# Altium PCB HTBBMSALL4G.PcbDoc (part 3 of 4)
Units mm, origin at the board's own origin, x right, y up, seen from the top; angles counter-clockwise.
Board outline 80.2 x 36.15 mm, 4 copper layers (Top Layer, SIG02, SIG03, Bottom Layer), stack 0.603 mm thick; 186 components, 121 nets, 547 pads, 871 vias.
Unrouted connection lines stored in the file: 10.
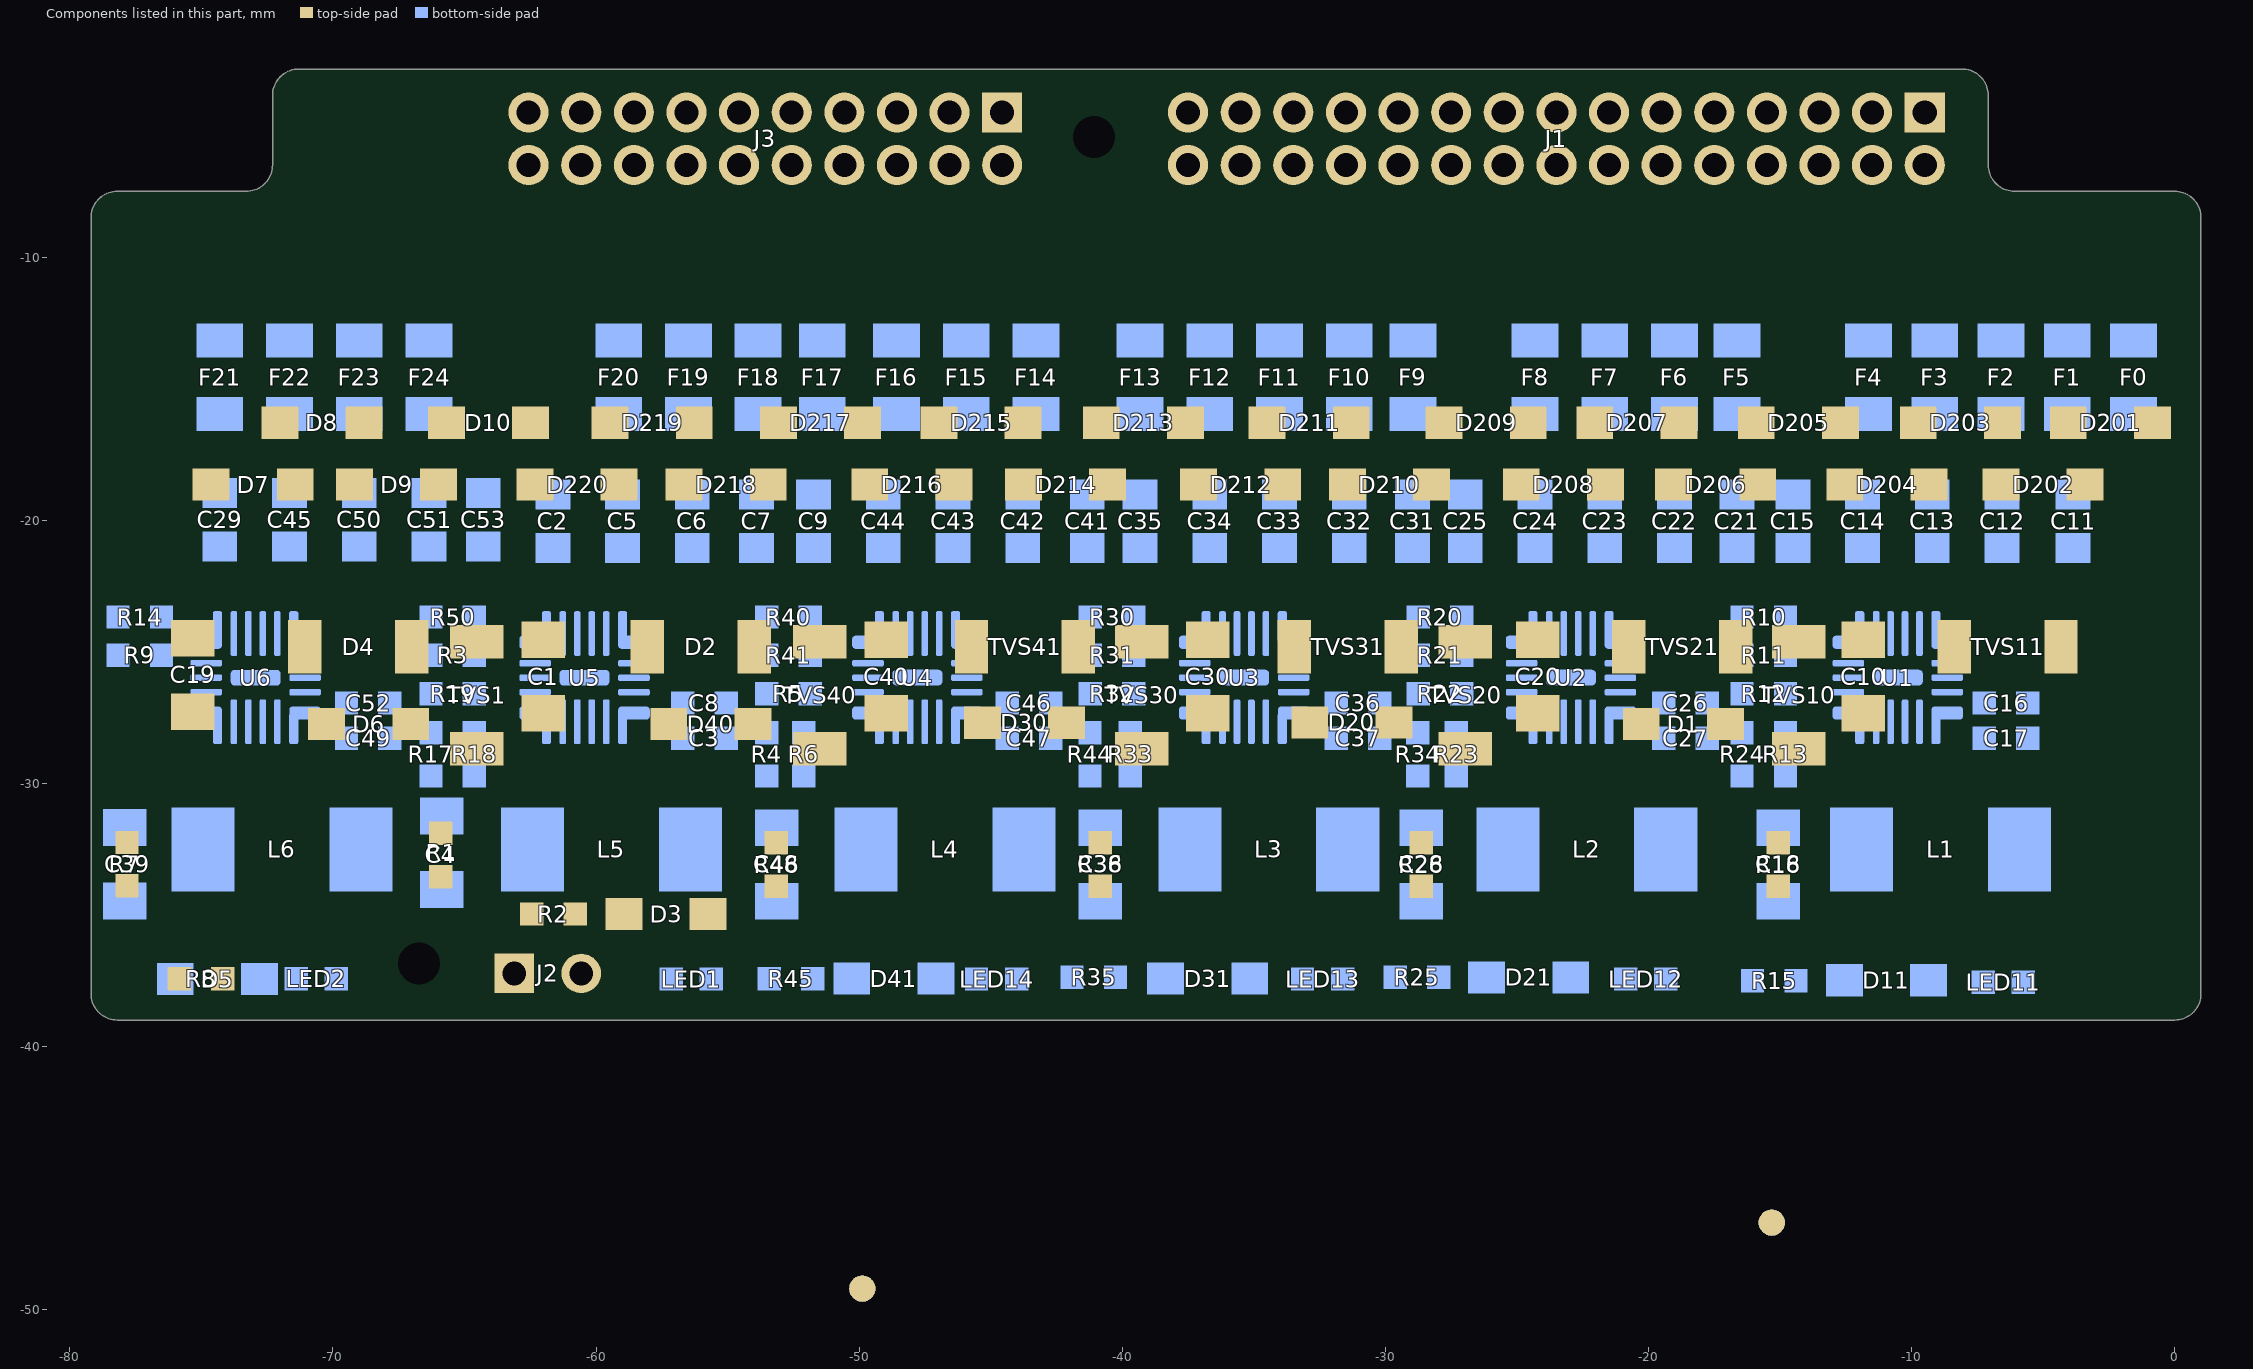
[diagram p5: the components of this part, seen from the top]

## Polygon pours and split planes (outlines as drawn) (continued)
N20 on Bottom Layer "NONET_L-01_P-001" (solid, remove dead copper, pour order 583): -64.06,-20.446 -63.217,-21.289 -63.217,-21.946 -62.691,-22.471 -61.549,-22.471 -61.133,-22.887 -61.133,-25.168 -61.362,-25.168 -61.451,-25.079 -61.451,-23.491 -61.769,-23.173 -63.791,-23.173 -65.064,-21.9 -65.064,-20.603 -64.907,-20.446
N19 on Bottom Layer "NONET_L-01_P-001" (solid, remove dead copper, pour order 585): -59.94,-18.261 -60.122,-18.442 -60.122,-19.041 -61.119,-20.039 -62.016,-20.039 -62.58,-20.603 -62.58,-22.084 -61.996,-21.499 -60.55,-21.499 -60.55,-20.881 -59.454,-19.785 -58.722,-19.785 -58.348,-19.411 -58.348,-18.41 -58.497,-18.261
N19 on Bottom Layer "NONET_L-01_P-001" (solid, remove dead copper, pour order 582): -61.113,-20.446 -60.516,-21.042 -60.516,-25.079 -60.606,-25.168 -60.835,-25.168 -60.905,-25.098 -60.905,-22.876 -61.531,-22.25 -62.364,-22.25 -62.597,-22.016 -62.597,-20.763 -62.279,-20.446
N18 on Bottom Layer "NONET_L-01_P-001" (solid, remove dead copper, pour order 587): -57.195,-18.284 -57.472,-18.56 -57.472,-19.06 -58.473,-20.062 -59.366,-20.062 -59.747,-20.443 -59.747,-21.923 -59.346,-21.522 -58.265,-21.522 -58.265,-21.088 -56.986,-19.808 -56.072,-19.808 -55.698,-19.434 -55.698,-18.433 -55.847,-18.284
N18 on Bottom Layer "NONET_L-01_P-001" (solid, remove dead copper, pour order 581): -59.767,-20.446 -60.363,-21.042 -60.363,-25.079 -60.274,-25.168 -60.045,-25.168 -59.974,-25.098 -59.974,-22.876 -59.348,-22.25 -58.515,-22.25 -58.282,-22.016 -58.282,-20.763 -58.6,-20.446
N16 on Bottom Layer "NONET_L-01_P-001" (solid, remove dead copper, pour order 578): -49.841,-18.259 -50.117,-18.536 -50.117,-19.067 -51.088,-20.037 -52.011,-20.037 -52.393,-20.419 -52.393,-21.899 -51.992,-21.498 -50.546,-21.498 -50.546,-20.866 -49.463,-19.783 -48.718,-19.783 -48.344,-19.409 -48.344,-18.409 -48.493,-18.259
N16 on Bottom Layer "NONET_L-01_P-001" (solid, remove dead copper, pour order 575): -51.405,-20.444 -50.562,-21.287 -50.562,-21.944 -50.037,-22.47 -48.895,-22.47 -48.479,-22.885 -48.479,-25.167 -48.707,-25.167 -48.797,-25.077 -48.797,-23.489 -49.115,-23.171 -51.137,-23.171 -52.409,-21.899 -52.409,-20.601 -52.252,-20.444
N15 on Bottom Layer "NONET_L-01_P-001" (solid, remove dead copper, pour order 577): -47.191,-18.259 -47.467,-18.536 -47.467,-19.04 -48.465,-20.037 -49.361,-20.037 -49.926,-20.602 -49.926,-22.082 -49.342,-21.498 -47.896,-21.498 -47.896,-20.879 -46.8,-19.783 -46.068,-19.783 -45.694,-19.409 -45.694,-18.409 -45.843,-18.259
N15 on Bottom Layer "NONET_L-01_P-001" (solid, remove dead copper, pour order 574): -48.458,-20.444 -47.862,-21.041 -47.862,-25.078 -47.951,-25.167 -48.18,-25.167 -48.251,-25.097 -48.251,-22.875 -48.877,-22.248 -49.71,-22.248 -49.943,-22.015 -49.943,-20.762 -49.625,-20.444
N14 on Bottom Layer "NONET_L-01_P-001" (solid, remove dead copper, pour order 579): -44.541,-18.282 -44.817,-18.559 -44.817,-19.059 -45.819,-20.06 -46.711,-20.06 -47.093,-20.441 -47.093,-21.922 -46.692,-21.521 -45.611,-21.521 -45.611,-21.086 -44.331,-19.806 -43.418,-19.806 -43.044,-19.432 -43.044,-18.432 -43.193,-18.282
N14 on Bottom Layer "NONET_L-01_P-001" (solid, remove dead copper, pour order 573): -47.112,-20.444 -47.709,-21.041 -47.709,-25.078 -47.619,-25.167 -47.39,-25.167 -47.32,-25.097 -47.32,-22.875 -46.694,-22.248 -45.861,-22.248 -45.628,-22.015 -45.628,-20.762 -45.946,-20.444
N13 on Bottom Layer "NONET_L-01_P-001" (solid, remove dead copper, pour order 580): -42.167,-18.282 -42.444,-18.559 -42.444,-19.236 -43.268,-20.06 -44.338,-20.06 -45.034,-20.756 -45.034,-22.236 -44.318,-21.521 -43.238,-21.521 -43.238,-21.375 -41.669,-19.806 -40.813,-19.806 -40.67,-19.664 -40.67,-18.432 -40.82,-18.282
N17 on Bottom Layer "NONET_L-01_P-001" (solid, remove dead copper, pour order 588): -54.363,-18.284 -55.098,-19.019 -55.098,-19.237 -55.923,-20.062 -56.992,-20.062 -57.688,-20.757 -57.688,-22.238 -56.972,-21.522 -55.892,-21.522 -55.892,-21.377 -54.323,-19.808 -53.467,-19.808 -53.325,-19.665 -53.325,-18.433 -53.474,-18.284
N13 on Bottom Layer "NONET_L-01_P-001" (solid, remove dead copper, pour order 576): -44.165,-20.444 -45.034,-21.313 -45.034,-21.969 -45.534,-22.47 -46.676,-22.47 -47.092,-22.885 -47.092,-25.167 -46.863,-25.167 -46.774,-25.077 -46.774,-23.489 -46.456,-23.171 -44.434,-23.171 -43.119,-21.857 -43.119,-20.643 -43.318,-20.444
N12 on Bottom Layer "NONET_L-01_P-001" (solid, remove dead copper, pour order 545): -37.42,-18.259 -37.697,-18.536 -37.697,-19.067 -38.667,-20.037 -39.591,-20.037 -39.972,-20.419 -39.972,-21.899 -39.571,-21.498 -38.125,-21.498 -38.125,-20.866 -37.043,-19.783 -36.297,-19.783 -35.777,-19.263 -35.777,-18.343 -35.86,-18.259
NetC3_1 on Bottom Layer "NONET_L-01_P-001" (solid, remove dead copper, pour order 572): -62.262,-30.011 -63.224,-30.972 -65.79,-30.972 -65.895,-31.077 -65.895,-32.286 -65.745,-32.436 -63.309,-32.436 -61.847,-33.898
NetC47_1 on Bottom Layer "NONET_L-01_P-001" (solid, remove dead copper, pour order 570): -49.608,-30.009 -50.569,-30.971 -53.136,-30.971 -53.24,-31.076 -53.24,-32.285 -53.091,-32.434 -50.655,-32.434 -49.193,-33.897
NetC47_1 on Bottom Layer "NETC47_1_L04_P569" (solid, remove dead copper, pour order 569): -48.18,-26.796 -47.924,-26.796 -47.924,-34.034 -48.032,-34.142 -50.325,-34.142 -50.368,-34.1 -50.368,-30.769 -49.361,-29.763 -48.224,-28.625 -48.224,-26.84
NetC37_1 on Bottom Layer "NONET_L-01_P-001" (solid, remove dead copper, pour order 568): -37.187,-30.009 -38.149,-30.971 -40.715,-30.971 -40.82,-31.076 -40.82,-32.285 -40.67,-32.434 -38.235,-32.434 -36.772,-33.897
NetC27_1 on Bottom Layer "NONET_L-01_P-001" (solid, remove dead copper, pour order 566): -24.767,-30.009 -25.728,-30.971 -28.294,-30.971 -28.399,-31.076 -28.399,-32.285 -28.25,-32.434 -25.814,-32.434 -24.352,-33.897
NetC27_1 on Bottom Layer "NETC27_1_L04_P565" (solid, remove dead copper, pour order 565): -23.339,-26.796 -23.083,-26.796 -23.083,-34.034 -23.191,-34.142 -25.484,-34.142 -25.526,-34.1 -25.526,-30.769 -24.52,-29.763 -23.383,-28.625 -23.383,-26.84
N21 on Bottom Layer "N21_L04_P564" (solid, remove dead copper, pour order 564): -59.817,-29.894 -59.817,-30.341 -59.92,-30.444 -60.243,-30.444 -60.363,-30.324 -60.363,-29.914
N21 on Bottom Layer "N21_L04_P563" (solid, remove dead copper, pour order 563): -60.084,-26.796 -59.948,-26.932 -59.948,-29.138 -59.817,-29.27 -59.817,-29.894 -59.948,-30.026 -60.251,-30.026 -60.363,-29.914 -60.363,-29.135 -60.363,-26.949 -60.21,-26.796 -60.17,-26.796
N17 on Bottom Layer "N17_L04_P562" (solid, remove dead copper, pour order 562): -47.162,-29.893 -47.162,-30.339 -47.266,-30.443 -47.589,-30.443 -47.709,-30.323 -47.709,-29.913
N17 on Bottom Layer "N17_L04_P561" (solid, remove dead copper, pour order 561): -47.43,-26.795 -47.294,-26.931 -47.294,-29.136 -47.162,-29.268 -47.162,-29.893 -47.294,-30.025 -47.597,-30.025 -47.709,-29.913 -47.709,-29.134 -47.709,-26.948 -47.556,-26.795 -47.516,-26.795
N13 on Bottom Layer "N13_L04_P560" (solid, remove dead copper, pour order 560): -34.742,-29.893 -34.742,-30.339 -34.846,-30.443 -35.168,-30.443 -35.288,-30.323 -35.288,-29.913
N13 on Bottom Layer "N13_L04_P559" (solid, remove dead copper, pour order 559): -35.009,-26.795 -34.874,-26.931 -34.874,-29.136 -34.742,-29.268 -34.742,-29.893 -34.874,-30.025 -35.176,-30.025 -35.288,-29.913 -35.288,-29.134 -35.288,-26.948 -35.135,-26.795 -35.095,-26.795
N9 on Bottom Layer "N9_L04_P558" (solid, remove dead copper, pour order 558): -22.321,-29.893 -22.321,-30.339 -22.425,-30.443 -22.747,-30.443 -22.867,-30.323 -22.867,-29.913
N9 on Bottom Layer "N9_L04_P557" (solid, remove dead copper, pour order 557): -22.589,-26.795 -22.453,-26.931 -22.453,-29.136 -22.321,-29.268 -22.321,-29.893 -22.453,-30.025 -22.755,-30.025 -22.867,-29.913 -22.867,-29.134 -22.867,-26.948 -22.715,-26.795 -22.675,-26.795
NetL5_1 on Bottom Layer "NETL5_1_L04_P556" (solid, remove dead copper, pour order 556): -59.578,-28.986 -59.578,-30.281 -57.622,-32.236 -56.771,-32.236 -56.771,-31.246 -59.031,-28.986
NetL4_1 on Bottom Layer "NETL4_1_L04_P554" (solid, remove dead copper, pour order 554): -46.923,-28.984 -46.923,-30.279 -44.968,-32.235 -44.117,-32.235 -44.117,-31.245 -46.377,-28.984
NetL4_1 on Bottom Layer "NETL4_1_L04_P553" (solid, remove dead copper, pour order 553): 24 vertices, not listed, extent -50.368,-34.521 -42.383,-25.647
NetL2_1 on Bottom Layer "NETL2_1_L04_P550" (solid, remove dead copper, pour order 550): -22.082,-28.984 -22.082,-30.279 -20.127,-32.235 -19.275,-32.235 -19.275,-31.245 -21.536,-28.984
NetL2_1 on Bottom Layer "NETL2_1_L04_P549" (solid, remove dead copper, pour order 549): 23 vertices, not listed, extent -25.526,-34.521 -17.696,-25.647
N11 on Bottom Layer "NONET_L-01_P-001" (solid, remove dead copper, pour order 544): -34.77,-18.259 -35.047,-18.536 -35.047,-19.04 -36.044,-20.037 -36.941,-20.037 -37.505,-20.602 -37.505,-22.082 -36.921,-21.498 -35.475,-21.498 -35.475,-20.879 -34.379,-19.783 -33.647,-19.783 -33.127,-19.263 -33.127,-18.343 -33.21,-18.259
N11 on Bottom Layer "NONET_L-01_P-001" (solid, remove dead copper, pour order 541): -36.038,-20.444 -35.442,-21.041 -35.442,-25.078 -35.531,-25.167 -35.76,-25.167 -35.83,-25.097 -35.83,-22.875 -36.456,-22.248 -37.289,-22.248 -37.522,-22.015 -37.522,-20.762 -37.205,-20.444
N10 on Bottom Layer "NONET_L-01_P-001" (solid, remove dead copper, pour order 546): -32.12,-18.282 -32.397,-18.559 -32.397,-19.059 -33.398,-20.06 -34.291,-20.06 -34.672,-20.441 -34.672,-21.922 -34.271,-21.521 -33.191,-21.521 -33.191,-21.086 -31.911,-19.806 -30.997,-19.806 -30.476,-19.285 -30.476,-18.344 -30.537,-18.282
N9 on Bottom Layer "NONET_L-01_P-001" (solid, remove dead copper, pour order 543): -31.745,-20.444 -32.613,-21.313 -32.613,-21.969 -33.113,-22.47 -34.255,-22.47 -34.671,-22.885 -34.671,-25.167 -34.443,-25.167 -34.353,-25.077 -34.353,-23.489 -34.035,-23.171 -32.013,-23.171 -30.699,-21.857 -30.699,-20.643 -30.898,-20.444
N10 on Bottom Layer "NONET_L-01_P-001" (solid, remove dead copper, pour order 540): -34.692,-20.444 -35.288,-21.041 -35.288,-25.078 -35.199,-25.167 -34.97,-25.167 -34.899,-25.097 -34.899,-22.875 -34.273,-22.248 -33.441,-22.248 -33.207,-22.015 -33.207,-20.762 -33.525,-20.444
N9 on Bottom Layer "NONET_L-01_P-001" (solid, remove dead copper, pour order 547): -29.747,-18.282 -30.023,-18.559 -30.023,-19.236 -30.848,-20.06 -31.918,-20.06 -32.613,-20.756 -32.613,-22.236 -31.898,-21.521 -30.817,-21.521 -30.817,-21.375 -29.248,-19.806 -28.392,-19.806 -28.25,-19.664 -28.25,-18.432 -28.399,-18.282
N9 on Bottom Layer "NONET_L-01_P-001" (solid, remove dead copper, pour order 548): -29.515,-18.282 -26.413,-18.282 -26.263,-18.432 -26.263,-19.636 -26.434,-19.806 -28.392,-19.806
NetC18_2 on Bottom Layer "NONET_L-01_P-001" (solid, remove dead copper, pour order 539): -13.618,-33.785 -16.237,-33.785 -16.676,-34.223 -16.676,-35.3 -16.3,-35.676 -13.797,-35.676 -13.421,-35.3 -13.421,-33.982
NetC17_1 on Bottom Layer "NONET_L-01_P-001" (solid, remove dead copper, pour order 538): -12.346,-30.009 -13.307,-30.971 -15.874,-30.971 -15.979,-31.076 -15.979,-32.285 -15.829,-32.434 -13.393,-32.434 -11.931,-33.897
N4 on Bottom Layer "NONET_L-01_P-001" (solid, remove dead copper, pour order 537): -14.766,-20.037 -16.82,-20.037 -17.326,-20.544 -17.326,-22.17 -16.961,-22.536 -13.928,-22.536 -13.928,-20.876
N5 on Bottom Layer "NONET_L-01_P-001" (solid, remove dead copper, pour order 536): -17.326,-18.282 -13.992,-18.282 -13.843,-18.432 -13.843,-19.636 -14.013,-19.806 -16.203,-19.806
N5 on Bottom Layer "NONET_L-01_P-001" (solid, remove dead copper, pour order 535): -17.326,-18.282 -17.603,-18.559 -17.603,-19.236 -18.427,-20.06 -19.497,-20.06 -20.192,-20.756 -20.192,-22.236 -19.477,-21.521 -18.397,-21.521 -18.397,-21.208 -16.995,-19.806 -16.203,-19.806 -15.829,-19.432 -15.829,-18.432 -15.979,-18.282
N8 on Bottom Layer "NONET_L-01_P-001" (solid, remove dead copper, pour order 533): -24.999,-18.259 -25.276,-18.536 -25.276,-19.067 -26.247,-20.037 -27.17,-20.037 -27.551,-20.419 -27.551,-21.899 -27.15,-21.498 -25.704,-21.498 -25.704,-20.866 -24.622,-19.783 -23.877,-19.783 -23.414,-19.32 -23.414,-18.343 -23.497,-18.259
N8 on Bottom Layer "NONET_L-01_P-001" (solid, remove dead copper, pour order 530): -26.564,-20.444 -25.721,-21.287 -25.721,-21.944 -25.196,-22.47 -24.054,-22.47 -23.638,-22.885 -23.638,-25.167 -23.866,-25.167 -23.956,-25.077 -23.956,-23.489 -24.274,-23.171 -26.296,-23.171 -27.568,-21.899 -27.568,-20.601 -27.411,-20.444
N7 on Bottom Layer "NONET_L-01_P-001" (solid, remove dead copper, pour order 532): -22.349,-18.259 -22.626,-18.536 -22.626,-19.04 -23.624,-20.037 -24.52,-20.037 -25.085,-20.602 -25.085,-22.082 -24.5,-21.498 -23.054,-21.498 -23.054,-20.879 -21.958,-19.783 -21.227,-19.783 -20.764,-19.32 -20.764,-18.343 -20.847,-18.259
N7 on Bottom Layer "NONET_L-01_P-001" (solid, remove dead copper, pour order 529): -23.617,-20.444 -23.021,-21.041 -23.021,-25.078 -23.11,-25.167 -23.339,-25.167 -23.41,-25.097 -23.41,-22.875 -24.036,-22.248 -24.868,-22.248 -25.102,-22.015 -25.102,-20.762 -24.784,-20.444
N6 on Bottom Layer "NONET_L-01_P-001" (solid, remove dead copper, pour order 534): -19.699,-18.282 -19.976,-18.559 -19.976,-19.059 -20.978,-20.06 -21.87,-20.06 -22.251,-20.441 -22.251,-21.922 -21.85,-21.521 -20.77,-21.521 -20.77,-21.086 -19.49,-19.806 -18.577,-19.806 -18.114,-19.343 -18.114,-18.343 -18.174,-18.282
N6 on Bottom Layer "NONET_L-01_P-001" (solid, remove dead copper, pour order 528): -22.271,-20.444 -22.867,-21.041 -22.867,-25.078 -22.778,-25.167 -22.549,-25.167 -22.479,-25.097 -22.479,-22.875 -21.853,-22.248 -21.02,-22.248 -20.787,-22.015 -20.787,-20.762 -21.104,-20.444
N1 on Bottom Layer "NONET_L-01_P-001" (solid, remove dead copper, pour order 517): -4.646,-18.282 -4.922,-18.559 -4.922,-19.059 -5.924,-20.06 -6.52,-20.06 -7.198,-20.738 -7.198,-21.922 -6.797,-21.521 -5.883,-21.521 -4.168,-19.806 -3.523,-19.806 -3.149,-19.432 -3.149,-18.432 -3.298,-18.282
NetL1_1 on Bottom Layer "NETL1_1_L04_P199" (solid, remove dead copper, pour order 199): 23 vertices, not listed, extent -13.106,-34.521 -4.668,-25.647
N4 on Bottom Layer "NONET_L-01_P-001" (solid, remove dead copper, pour order 486): -14.144,-20.444 -13.301,-21.287 -13.301,-21.944 -12.775,-22.47 -11.633,-22.47 -11.137,-22.965 -11.137,-25.167 -11.445,-25.167 -11.535,-25.077 -11.535,-23.489 -11.853,-23.171 -13.875,-23.171 -15.148,-21.899 -15.148,-20.601 -14.991,-20.444
N4 on Bottom Layer "NONET_L-01_P-001" (solid, remove dead copper, pour order 482): -12.596,-18.259 -12.872,-18.536 -12.872,-19.067 -13.843,-20.037 -14.766,-20.037 -15.148,-20.419 -15.148,-21.899 -14.747,-21.498 -13.301,-21.498 -13.301,-20.866 -12.218,-19.783 -11.473,-19.783 -11.099,-19.409 -11.099,-18.409 -11.248,-18.259
N1 on Bottom Layer "NONET_L-01_P-001" (solid, remove dead copper, pour order 487): -6.904,-20.444 -7.746,-21.287 -7.746,-21.944 -8.272,-22.47 -9.414,-22.47 -9.83,-22.885 -9.83,-25.167 -9.602,-25.167 -9.512,-25.077 -9.512,-23.489 -9.194,-23.171 -7.172,-23.171 -5.858,-21.857 -5.858,-20.643 -6.057,-20.444
N2 on Bottom Layer "NONET_L-01_P-001" (solid, remove dead copper, pour order 469): -9.85,-20.444 -10.447,-21.041 -10.447,-25.078 -10.358,-25.167 -10.129,-25.167 -10.058,-25.097 -10.058,-22.875 -9.432,-22.248 -8.599,-22.248 -8.366,-22.015 -8.366,-20.762 -8.684,-20.444
N3 on Bottom Layer "NONET_L-01_P-001" (solid, remove dead copper, pour order 485): -11.197,-20.444 -10.6,-21.041 -10.6,-25.078 -10.69,-25.167 -10.919,-25.167 -10.989,-25.097 -10.989,-22.875 -11.615,-22.248 -12.448,-22.248 -12.681,-22.015 -12.681,-20.762 -12.363,-20.444
NetL1_1 on Bottom Layer "NETL1_1_L04_P398" (solid, remove dead copper, pour order 398): -9.662,-28.984 -9.662,-30.279 -7.285,-32.656 -6.855,-32.656 -6.855,-31.245 -9.115,-28.984
NetC17_1 on Bottom Layer "NETC17_1_L04_P200" (solid, remove dead copper, pour order 200): -10.919,-26.796 -10.662,-26.796 -10.662,-34.034 -10.77,-34.142 -13.064,-34.142 -13.106,-34.1 -13.106,-30.769 -12.1,-29.763 -10.962,-28.625 -10.962,-26.84
N2 on Bottom Layer "NONET_L-01_P-001" (solid, remove dead copper, pour order 483): -7.296,-18.282 -7.572,-18.559 -7.572,-19.059 -8.574,-20.06 -9.466,-20.06 -9.848,-20.441 -9.848,-21.922 -9.447,-21.521 -8.366,-21.521 -8.366,-21.354 -6.818,-19.806 -6.173,-19.806 -5.799,-19.432 -5.799,-18.432 -5.948,-18.282
N3 on Bottom Layer "NONET_L-01_P-001" (solid, remove dead copper, pour order 481): -9.946,-18.259 -10.222,-18.536 -10.222,-19.04 -11.22,-20.037 -12.116,-20.037 -12.681,-20.602 -12.681,-22.082 -12.097,-21.498 -10.651,-21.498 -10.651,-20.879 -9.555,-19.783 -8.823,-19.783 -8.449,-19.409 -8.449,-18.409 -8.598,-18.259
N5 on Bottom Layer "N5_L04_P444" (solid, remove dead copper, pour order 444): -9.901,-29.893 -9.901,-30.339 -10.004,-30.443 -10.327,-30.443 -10.447,-30.323 -10.447,-29.913
N5 on Bottom Layer "N5_L04_P269" (solid, remove dead copper, pour order 269): -10.168,-26.795 -10.032,-26.931 -10.032,-29.136 -9.901,-29.268 -9.901,-29.893 -10.032,-30.025 -10.335,-30.025 -10.447,-29.913 -10.447,-29.134 -10.447,-26.948 -10.294,-26.795 -10.254,-26.795
GND on Top Layer "NONET_L-01_P-001" (solid, remove dead copper, pour order 1029): 17 vertices, not listed, extent -16.285,-38.812 0.487,-3.469
N16 on Top Layer "NONET_L-01_P-001" (solid, remove dead copper, pour order 1013): 23 vertices, not listed, extent -66.039,-38.528 -48.564,-3.254
N20 on Top Layer "NONET_L-01_P-001" (solid, remove dead copper, pour order 1009): 19 vertices, not listed, extent -78.871,-38.528 -60.835,-3.254
N4 on Top Layer "NONET_L-01_P-001" (solid, remove dead copper, pour order 1025): 24 vertices, not listed, extent -29.392,-38.528 -12.596,-3.401
N8 on Top Layer "NONET_L-01_P-001" (solid, remove dead copper, pour order 1021): 19 vertices, not listed, extent -41.487,-38.528 -26.759,-3.408
N12 on Top Layer "NONET_L-01_P-001" (solid, remove dead copper, pour order 1017): 25 vertices, not listed, extent -53.008,-38.528 -35.645,-3.254
N20 on Top Layer "Top Layer-N20" (solid, remove dead copper, pour order 956): 29 vertices, not listed, extent -67.75,-25.801 -60.731,-15.298
Bt0 on Top Layer "NONET_L-01_P-001" (solid, remove dead copper, pour order 1004): 19 vertices, not listed, extent -10.243,-13.587 -0.516,-3.469
Bt1 on Top Layer "NONET_L-01_P-001" (solid, remove dead copper, pour order 1003): 19 vertices, not listed, extent -12.218,-13.701 -3.441,-3.617
Bt24 on Top Layer "NONET_L-01_P-001" (solid, remove dead copper, pour order 798): 17 vertices, not listed, extent -74.912,-13.746 -61.762,-3.469
Bt23 on Top Layer "NONET_L-01_P-001" (solid, remove dead copper, pour order 797): 17 vertices, not listed, extent -72.232,-13.746 -59.798,-3.469
Bt22 on Top Layer "NONET_L-01_P-001" (solid, remove dead copper, pour order 796): 18 vertices, not listed, extent -69.662,-13.746 -57.783,-3.469
Bt21 on Top Layer "NONET_L-01_P-001" (solid, remove dead copper, pour order 795): -57.018,-3.469 -57.339,-3.79 -57.339,-7.351 -62.481,-12.493 -66.892,-12.493 -67.128,-12.729 -67.128,-13.583 -66.965,-13.746 -61.913,-13.746 -55.79,-7.623 -55.79,-3.717 -56.038,-3.469
Bt20 on Top Layer "NONET_L-01_P-001" (solid, remove dead copper, pour order 794): -55.133,-3.469 -55.354,-3.69 -55.354,-7.698 -59.661,-12.005 -59.661,-13.42 -59.336,-13.746 -58.49,-13.746 -58.291,-13.547 -58.291,-12.243 -53.785,-7.738 -53.785,-3.65 -53.966,-3.469
Bt19 on Top Layer "NONET_L-01_P-001" (solid, remove dead copper, pour order 793): -53.181,-3.469 -53.344,-3.632 -53.344,-7.827 -56.979,-11.462 -56.979,-13.315 -56.548,-13.746 -55.962,-13.746 -55.715,-13.499 -55.715,-12.105 -51.773,-8.164 -51.773,-3.651 -51.956,-3.469
Bt18 on Top Layer "NONET_L-01_P-001" (solid, remove dead copper, pour order 792): -50.975,-3.469 -51.334,-3.828 -51.334,-8.212 -54.391,-11.269 -54.391,-13.548 -54.194,-13.746 -53.303,-13.746 -53.073,-13.516 -53.073,-11.718 -49.787,-8.433 -49.787,-3.791 -50.109,-3.469
Bt17 on Top Layer "NONET_L-01_P-001" (solid, remove dead copper, pour order 791): -49.063,-3.469 -49.358,-3.765 -49.358,-8.619 -52.029,-11.29 -52.029,-13.536 -51.82,-13.746 -50.911,-13.746 -50.66,-13.495 -50.66,-11.963 -47.783,-9.085 -47.783,-3.713 -48.027,-3.469
Bt16 on Top Layer "NONET_L-01_P-001" (solid, remove dead copper, pour order 790): -46.996,-3.469 -47.32,-3.793 -47.32,-9.177 -49.164,-11.021 -49.164,-13.512 -48.93,-13.746 -47.977,-13.746 -47.832,-13.601 -47.832,-11.778 -45.791,-9.736 -45.791,-3.751 -46.072,-3.469 -46.282,-3.469
Bt15 on Top Layer "NONET_L-01_P-001" (solid, remove dead copper, pour order 789): -45.058,-3.469 -45.386,-3.796 -45.386,-10.058 -46.451,-11.123 -46.451,-13.504 -46.209,-13.746 -45.373,-13.746 -45.108,-13.481 -45.108,-11.505 -43.757,-10.155 -43.757,-3.724 -44.012,-3.469
Bt14 on Top Layer "NONET_L-01_P-001" (solid, remove dead copper, pour order 788): -36.935,-3.469 -38.123,-3.469 -38.545,-3.891 -38.545,-7.229 -43.883,-12.567 -43.883,-13.632 -43.769,-13.746 -42.66,-13.746 -42.46,-13.546 -42.46,-12.889 -36.699,-7.128 -36.699,-3.705
Bt13 on Top Layer "NONET_L-01_P-001" (solid, remove dead copper, pour order 787): -36.142,-3.469 -36.269,-3.595 -36.269,-7.498 -39.861,-11.09 -39.861,-13.53 -39.645,-13.746 -38.85,-13.746 -38.563,-13.459 -38.563,-11.821 -34.692,-7.95 -34.692,-3.588 -34.81,-3.469 -35.064,-3.469
Bt12 on Top Layer "NONET_L-01_P-001" (solid, remove dead copper, pour order 786): -32.878,-3.469 -33.955,-3.469 -34.273,-3.787 -34.273,-7.959 -37.205,-10.891 -37.205,-13.543 -37.002,-13.746 -36.171,-13.746 -35.985,-13.56 -35.985,-11.552 -32.67,-8.238 -32.67,-3.677
Bt11 on Top Layer "NONET_L-01_P-001" (solid, remove dead copper, pour order 785): -31.996,-3.469 -32.254,-3.727 -32.254,-8.376 -34.586,-10.708 -34.586,-13.469 -34.309,-13.746 -33.506,-13.746 -33.29,-13.53 -33.29,-11.491 -30.628,-8.829 -30.628,-3.652 -30.812,-3.469 -31.089,-3.469
Bt10 on Top Layer "NONET_L-01_P-001" (solid, remove dead copper, pour order 784): -29.895,-3.469 -30.279,-3.853 -30.279,-9.242 -32.013,-10.975 -32.013,-13.37 -31.637,-13.746 -30.946,-13.746 -30.751,-13.552 -30.751,-11.536 -28.75,-9.535 -28.75,-3.673 -28.953,-3.469
Bt9 on Top Layer "NONET_L-01_P-001" (solid, remove dead copper, pour order 783): -26.988,-3.469 -27.95,-3.469 -28.291,-3.81 -28.291,-9.784 -29.545,-11.038 -29.545,-13.508 -29.307,-13.746 -28.335,-13.746 -28.244,-13.655 -28.244,-11.953 -26.71,-10.419 -26.71,-3.746
Bt8 on Top Layer "NONET_L-01_P-001" (solid, remove dead copper, pour order 782): -26.143,-3.469 -26.263,-3.59 -26.263,-12.302 -24.964,-13.601 -24.819,-13.746 -23.82,-13.746 -23.65,-13.576 -23.65,-13.109 -24.713,-12.046 -24.713,-3.593 -24.838,-3.469 -25.102,-3.469
Bt7 on Top Layer "NONET_L-01_P-001" (solid, remove dead copper, pour order 781): -22.897,-3.469 -24.016,-3.469 -24.299,-3.751 -24.299,-11.584 -22.318,-13.565 -22.136,-13.746 -21.166,-13.746 -21.056,-13.636 -21.056,-12.783 -22.664,-11.176 -22.664,-3.702
Bt6 on Top Layer "NONET_L-01_P-001" (solid, remove dead copper, pour order 780): -21.019,-3.469 -21.858,-3.469 -22.271,-3.882 -22.271,-10.642 -19.167,-13.746 -18.446,-13.746 -18.305,-13.605 -18.305,-12.679 -20.703,-10.281 -20.703,-3.784
Bt5 on Top Layer "NONET_L-01_P-001" (solid, remove dead copper, pour order 779): -18.916,-3.469 -19.891,-3.469 -20.26,-3.838 -20.26,-10.329 -17.423,-13.165 -17.423,-13.509 -17.186,-13.746 -15.959,-13.746 -15.844,-13.631 -15.844,-12.889 -18.668,-10.065 -18.668,-3.717
Bt4 on Top Layer "NONET_L-01_P-001" (solid, remove dead copper, pour order 778): -17.92,-3.469 -18.219,-3.768 -18.219,-9.675 -14.148,-13.746 -10.85,-13.746 -10.691,-13.587 -10.691,-12.872 -11.013,-12.549 -13.617,-12.549 -16.681,-9.485 -16.681,-3.816 -17.028,-3.469
Bt3 on Top Layer "NONET_L-01_P-001" (solid, remove dead copper, pour order 777): 17 vertices, not listed, extent -16.285,-13.746 -8.483,-3.469
Bt2 on Top Layer "NONET_L-01_P-001" (solid, remove dead copper, pour order 775): 17 vertices, not listed, extent -14.286,-13.746 -5.986,-3.469
NetC3_1 on Top Layer "NONET_L-01_P-001" (solid, remove dead copper, pour order 681): -61.549,-28.354 -63.024,-29.829 -63.024,-34.105 -62.983,-34.146 -60.815,-34.146 -60.578,-33.909 -60.578,-28.457 -60.681,-28.354
N17 on Top Layer "NONET_L-01_P-001" (solid, remove dead copper, pour order 721): 17 vertices, not listed, extent -58.49,-28.304 -51.068,-20.901
NetL6_1 on Top Layer "NONET_L-01_P-001" (solid, remove dead copper, pour order 692): 20 vertices, not listed, extent -75.524,-34.529 -67.783,-25.636
NetC17_1 on Top Layer "NONET_L-01_P-001" (solid, remove dead copper, pour order 505): -11.633,-28.353 -13.108,-29.828 -13.108,-33.735 -12.698,-34.145 -10.899,-34.145 -10.662,-33.908 -10.662,-28.456 -10.765,-28.353
NetL1_1 on Top Layer "NONET_L-01_P-001" (solid, pour order 504): 20 vertices, not listed, extent -13.108,-33.748 -5.272,-25.635
N5 on Top Layer "NONET_L-01_P-001" (solid, remove dead copper, pour order 484): 19 vertices, not listed, extent -15.589,-30.441 -9.825,-26.585
NetC27_1 on Top Layer "NONET_L-01_P-001" (solid, remove dead copper, pour order 672): -24.053,-28.353 -25.327,-29.626 -25.327,-33.927 -25.109,-34.145 -23.319,-34.145 -23.082,-33.908 -23.082,-28.456 -23.186,-28.353
NetL2_1 on Top Layer "NONET_L-01_P-001" (solid, pour order 671): 20 vertices, not listed, extent -25.529,-34.527 -17.784,-25.635
N9 on Top Layer "NONET_L-01_P-001" (solid, remove dead copper, pour order 670): 19 vertices, not listed, extent -28.009,-30.441 -22.246,-26.585
N9 on Top Layer "NONET_L-01_P-001" (solid, remove dead copper, pour order 717): 18 vertices, not listed, extent -34.035,-29.324 -26.154,-21.366
NetC37_1 on Top Layer "NONET_L-01_P-001" (solid, remove dead copper, pour order 675): -36.474,-28.353 -37.949,-29.828 -37.949,-34.104 -37.908,-34.145 -35.74,-34.145 -35.503,-33.908 -35.503,-28.456 -35.606,-28.353
NetL3_1 on Top Layer "NONET_L-01_P-001" (solid, pour order 674): 20 vertices, not listed, extent -37.949,-34.527 -30.464,-25.635
N13 on Top Layer "NONET_L-01_P-001" (solid, remove dead copper, pour order 673): 19 vertices, not listed, extent -40.43,-30.441 -34.666,-26.585
NetC47_1 on Top Layer "NONET_L-01_P-001" (solid, remove dead copper, pour order 678): -48.894,-28.353 -50.37,-29.828 -50.37,-34.104 -50.329,-34.145 -48.16,-34.145 -47.924,-33.908 -47.924,-28.456 -48.027,-28.353
NetL4_1 on Top Layer "NONET_L-01_P-001" (solid, pour order 677): 20 vertices, not listed, extent -50.37,-34.229 -42.472,-25.635
N17 on Top Layer "NONET_L-01_P-001" (solid, remove dead copper, pour order 676): 19 vertices, not listed, extent -52.851,-30.441 -47.087,-26.585
NetL5_1 on Top Layer "NONET_L-01_P-001" (solid, pour order 680): 20 vertices, not listed, extent -63.024,-34.085 -55.059,-25.636
N21 on Top Layer "NONET_L-01_P-001" (solid, remove dead copper, pour order 679): 19 vertices, not listed, extent -65.505,-30.442 -59.741,-26.586
NetC39_2 on Top Layer "NONET_L-01_P-001" (solid, remove dead copper, pour order 1008): -76.69,-33.444 -78.748,-33.444 -78.871,-33.567 -78.871,-35.338 -78.732,-35.478 -76.776,-35.478 -76.469,-35.17 -76.469,-33.666
N24 on Top Layer "Top Layer-N24" (solid, remove dead copper, pour order 687): 25 vertices, not listed, extent -77.564,-25.168 -73.231,-15.298
N22 on Top Layer "Top Layer-N22" (solid, remove dead copper, pour order 686): 25 vertices, not listed, extent -72.863,-25.168 -68.098,-15.298
N21 on Top Layer "Top Layer-N21" (solid, remove dead copper, pour order 685): 24 vertices, not listed, extent -72.246,-25.168 -65.015,-15.298
N23 on Top Layer "NONET_L-01_P-001" (solid, remove dead copper, pour order 684): -72.602,-15.298 -72.865,-15.561 -72.865,-19.267 -73.137,-19.54 -72.892,-19.785 -71.085,-19.785 -70.688,-19.388 -70.688,-15.504 -70.894,-15.298
N16 on Top Layer "Top Layer-N16" (solid, remove dead copper, pour order 669): 24 vertices, not listed, extent -52.409,-25.167 -48.077,-15.297
N14 on Top Layer "Top Layer-N14" (solid, remove dead copper, pour order 667): 25 vertices, not listed, extent -47.709,-25.167 -42.743,-15.297
N13 on Top Layer "Top Layer-N13" (solid, remove dead copper, pour order 665): 23 vertices, not listed, extent -47.092,-25.167 -39.463,-15.297
N12 on Top Layer "Top Layer-N12" (solid, remove dead copper, pour order 664): 25 vertices, not listed, extent -39.989,-25.167 -35.656,-15.297
N10 on Top Layer "Top Layer-N10" (solid, remove dead copper, pour order 662): 25 vertices, not listed, extent -35.288,-25.167 -30.64,-15.297
N18 on Top Layer "Top Layer-N18" (solid, remove dead copper, pour order 658): 25 vertices, not listed, extent -60.363,-25.168 -55.373,-15.298
N17 on Top Layer "Top Layer-N17" (solid, remove dead copper, pour order 656): 23 vertices, not listed, extent -59.746,-25.168 -50.786,-15.298
N9 on Top Layer "Top Layer-N9" (solid, remove dead copper, pour order 655): 23 vertices, not listed, extent -34.671,-25.167 -26.564,-15.297
N8 on Top Layer "Top Layer-N8" (solid, remove dead copper, pour order 654): -27.568,-21.899 -27.167,-21.498 -25.721,-21.498 -25.721,-20.866 -24.639,-19.783 -23.893,-19.783 -23.235,-19.125 -23.235,-15.5 -23.438,-15.297 -25.207,-15.297 -25.488,-15.578 -25.488,-19.262 -26.263,-20.037 -27.187,-20.037 -27.568,-20.419
N6 on Top Layer "Top Layer-N6" (solid, remove dead copper, pour order 653): 17 vertices, not listed, extent -22.268,-21.922 -18.219,-15.297
N5 on Top Layer "Top Layer-N5" (solid, remove dead copper, pour order 652): 24 vertices, not listed, extent -22.251,-25.167 -15.019,-15.297
N19 on Top Layer "NONET_L-01_P-001" (solid, remove dead copper, pour order 648): -60.102,-15.298 -60.365,-15.561 -60.365,-19.267 -60.637,-19.54 -60.392,-19.785 -58.585,-19.785 -58.188,-19.388 -58.188,-15.504 -58.394,-15.298
N15 on Top Layer "NONET_L-01_P-001" (solid, remove dead copper, pour order 636): -47.448,-15.297 -47.71,-15.56 -47.71,-19.266 -47.983,-19.539 -47.738,-19.783 -45.93,-19.783 -45.534,-19.387 -45.534,-15.503 -45.739,-15.297
N11 on Top Layer "NONET_L-01_P-001" (solid, remove dead copper, pour order 624): -35.027,-15.297 -35.29,-15.56 -35.29,-19.266 -35.562,-19.539 -35.318,-19.783 -33.51,-19.783 -33.113,-19.387 -33.113,-15.503 -33.319,-15.297
N7 on Top Layer "NONET_L-01_P-001" (solid, remove dead copper, pour order 612): -22.606,-15.297 -22.869,-15.56 -22.869,-19.266 -23.142,-19.539 -22.897,-19.783 -21.089,-19.783 -20.692,-19.387 -20.692,-15.503 -20.898,-15.297
N1 on Top Layer "NONET_L-01_P-001" (solid, remove dead copper, pour order 527): -4.711,-15.297 -5.003,-15.588 -5.003,-19.908 -2.973,-19.908 -2.599,-19.534 -2.599,-18.275 -3.276,-17.598 -3.276,-15.424 -3.403,-15.297
N4 on Top Layer "NONET_L-01_P-001" (solid, remove dead copper, pour order 526): -13.098,-15.297 -13.415,-15.614 -13.415,-19.266 -12.736,-19.266 -12.218,-19.783 -11.473,-19.783 -10.815,-19.125 -10.815,-15.5 -11.017,-15.297
N3 on Top Layer "NONET_L-01_P-001" (solid, remove dead copper, pour order 525): -10.186,-15.297 -10.449,-15.56 -10.449,-19.266 -10.721,-19.539 -10.476,-19.783 -8.669,-19.783 -8.272,-19.387 -8.272,-15.503 -8.477,-15.297
N2 on Top Layer "NONET_L-01_P-001" (solid, remove dead copper, pour order 524): -7.395,-15.297 -7.572,-15.474 -7.572,-18.559 -5.926,-18.559 -5.799,-18.432 -5.799,-15.469 -5.971,-15.297
N24 on Top Layer "NONET_L-01_P-001" (solid, remove dead copper, pour order 741): 17 vertices, not listed, extent -78.871,-27.879 -73.906,-20.42
N8 on Top Layer "NONET_L-01_P-001" (solid, remove dead copper, pour order 715): -27.156,-20.006 -30.279,-23.13 -30.279,-25.641 -30.107,-25.814 -29.017,-25.814 -28.851,-25.649 -28.851,-23.803 -28.22,-23.171 -25.693,-23.171
N12 on Top Layer "NONET_L-01_P-001" (solid, remove dead copper, pour order 718): -39.962,-20.44 -42.472,-22.95 -42.472,-25.606 -42.265,-25.814 -41.213,-25.814 -41.086,-25.686 -41.086,-24.033 -40.224,-23.171 -37.231,-23.171
GND on Top Layer "NONET_L-01_P-001" (solid, remove dead copper, pour order 735): -10.989,-23.986 -14.987,-23.986 -15.229,-24.228 -15.229,-24.936 -14.985,-25.181 -11.003,-25.181 -10.922,-25.1 -10.922,-24.053
N4 on Top Layer "NONET_L-01_P-001" (solid, remove dead copper, pour order 736): -23.41,-23.986 -27.698,-23.986 -27.963,-24.25 -27.963,-25.026 -27.808,-25.181 -23.494,-25.181 -23.374,-25.061 -23.374,-24.021
N16 on Top Layer "NONET_L-01_P-001" (solid, remove dead copper, pour order 739): -61.431,-23.857 -65.313,-23.857 -65.54,-24.085 -65.54,-25.079 -65.307,-25.311 -61.461,-25.311 -61.243,-25.094 -61.243,-24.045
N12 on Top Layer "NONET_L-01_P-001" (solid, remove dead copper, pour order 738): -48.384,-23.857 -52.266,-23.857 -52.493,-24.085 -52.493,-25.079 -52.26,-25.311 -48.414,-25.311 -48.197,-25.094 -48.197,-24.045
N8 on Top Layer "NONET_L-01_P-001" (solid, remove dead copper, pour order 737): -36.172,-23.857 -40.054,-23.857 -40.281,-24.085 -40.281,-25.079 -40.049,-25.311 -36.203,-25.311 -35.985,-25.094 -35.985,-24.045
N5 on Top Layer "NONET_L-01_P-001" (solid, remove dead copper, pour order 714): 17 vertices, not listed, extent -22.033,-28.669 -14.041,-21.872
N21 on Top Layer "NONET_L-01_P-001" (solid, remove dead copper, pour order 732): 18 vertices, not listed, extent -71.61,-28.379 -63.791,-21.605
N24 on Top Layer "NONET_L-01_P-001" (solid, remove dead copper, pour order 733): -69.964,-23.377 -71.403,-23.377 -71.688,-23.662 -71.688,-25.557 -71.471,-25.774 -71.122,-25.774 -69.763,-24.415 -69.763,-23.578
N20 on Top Layer "NONET_L-01_P-001" (solid, remove dead copper, pour order 730): -58.476,-23.377 -58.739,-23.64 -58.739,-25.743 -58.577,-25.905 -57.409,-25.905 -56.979,-25.474 -56.979,-23.684 -57.285,-23.377
N16 on Top Layer "NONET_L-01_P-001" (solid, remove dead copper, pour order 728): -46.023,-23.393 -46.395,-23.765 -46.395,-25.744 -46.281,-25.859 -45.014,-25.859 -44.564,-25.409 -44.564,-23.723 -44.895,-23.393
N13 on Top Layer "NONET_L-01_P-001" (solid, remove dead copper, pour order 719): -46.456,-23.171 -44.816,-23.171 -44.359,-23.628 -44.359,-25.159 -42.743,-26.775 -40.889,-26.775 -40.43,-27.234 -40.43,-28.129 -38.495,-28.129 -40.525,-26.099 -42.46,-26.099 -43.581,-24.978 -43.581,-22.264 -44.012,-21.832
N12 on Top Layer "NONET_L-01_P-001" (solid, remove dead copper, pour order 726): -32.482,-23.393 -33.826,-23.393 -34.113,-23.68 -34.113,-25.718 -34.017,-25.814 -32.739,-25.814 -32.237,-25.311 -32.237,-23.638
N8 on Top Layer "NONET_L-01_P-001" (solid, remove dead copper, pour order 724): -19.968,-23.444 -21.163,-23.444 -21.374,-23.655 -21.374,-25.751 -21.268,-25.857 -20.226,-25.857 -19.5,-25.131 -19.5,-23.857 -19.904,-23.453
N4 on Top Layer "NONET_L-01_P-001" (solid, remove dead copper, pour order 499): -12.596,-18.259 -12.872,-18.536 -14.374,-20.037 -14.766,-20.037 -15.148,-20.419 -15.148,-21.899 -14.747,-21.498 -13.301,-21.498 -13.301,-20.866 -12.218,-19.783 -11.473,-19.783 -11.099,-19.409 -11.099,-18.409 -11.248,-18.259
N4 on Top Layer "NONET_L-01_P-001" (solid, remove dead copper, pour order 723): -5.8,-23.393 -8.768,-23.393 -9.073,-23.698 -9.073,-25.688 -8.947,-25.814 -7.054,-25.814 -5.71,-24.47 -5.71,-23.482
N16 on Top Layer "NONET_L-01_P-001" (solid, remove dead copper, pour order 720): -52.029,-20.038 -54.773,-22.782 -54.773,-25.734 -54.693,-25.814 -53.559,-25.814 -53.344,-25.599 -53.344,-24.001 -52.515,-23.171 -50.581,-23.171
NetC4_2 on Top Layer "NONET_L-01_P-001" (solid, remove dead copper, pour order 709): -64.302,-33.075 -66.325,-33.075 -66.44,-33.19 -66.44,-34.273 -65.608,-35.105 -64.385,-35.105 -64.116,-34.836 -64.116,-33.262
NetC48_2 on Top Layer "NONET_L-01_P-001" (solid, remove dead copper, pour order 707): -51.483,-33.241 -53.887,-33.241 -54.194,-33.547 -54.194,-35.125 -53.98,-35.338 -51.633,-35.338 -51.296,-35.002 -51.296,-33.427
NetC38_2 on Top Layer "NONET_L-01_P-001" (solid, remove dead copper, pour order 705): -39.177,-33.238 -41.581,-33.238 -41.888,-33.545 -41.888,-35.123 -41.675,-35.336 -39.327,-35.336 -38.991,-34.999 -38.991,-33.425
NetC28_2 on Top Layer "NONET_L-01_P-001" (solid, remove dead copper, pour order 703): -26.988,-33.241 -29.392,-33.241 -29.698,-33.547 -29.698,-35.125 -29.485,-35.338 -27.138,-35.338 -26.801,-35.002 -26.801,-33.427
NetC18_2 on Top Layer "NONET_L-01_P-001" (solid, remove dead copper, pour order 701): -13.722,-33.527 -15.948,-33.527 -16.652,-34.231 -16.652,-35.197 -16.163,-35.686 -13.849,-35.686 -13.501,-35.338 -13.501,-33.748
N24 on Top Layer "NONET_L-01_P-001" (solid, pour order 700): -76.259,-26.84 -76.005,-26.586 -73.39,-26.586 -72.246,-27.73 -72.246,-30.326 -72.362,-30.442 -72.76,-30.442 -72.892,-30.309 -72.892,-28.27 -73.284,-27.879 -76.044,-27.879 -76.259,-27.664
NetC49_1 on Top Layer "NONET_L-01_P-001" (solid, remove dead copper, pour order 693): -74.049,-28.354 -75.524,-29.829 -75.524,-34.105 -75.483,-34.146 -73.315,-34.146 -73.078,-33.909 -73.078,-28.457 -73.181,-28.354
N23 on Top Layer "NONET_L-01_P-001" (solid, remove dead copper, pour order 683): -73.613,-20.446 -73.016,-21.042 -73.016,-25.079 -73.106,-25.168 -73.335,-25.168 -73.405,-25.098 -73.405,-22.876 -74.031,-22.25 -74.864,-22.25 -75.097,-22.016 -75.097,-20.763 -74.779,-20.446
N23 on Top Layer "NONET_L-01_P-001" (solid, remove dead copper, pour order 682): -72.362,-18.261 -72.638,-18.538 -72.638,-19.041 -73.636,-20.039 -74.533,-20.039 -75.097,-20.603 -75.097,-22.084 -74.513,-21.499 -73.067,-21.499 -73.067,-20.881 -71.971,-19.785 -71.239,-19.785 -70.865,-19.411 -70.865,-18.41 -71.014,-18.261
N19 on Top Layer "NONET_L-01_P-001" (solid, remove dead copper, pour order 643): -61.113,-20.446 -60.516,-21.042 -60.516,-25.079 -60.606,-25.168 -60.835,-25.168 -60.905,-25.098 -60.905,-22.876 -61.531,-22.25 -62.364,-22.25 -62.597,-22.016 -62.597,-20.763 -62.279,-20.446
N19 on Top Layer "NONET_L-01_P-001" (solid, remove dead copper, pour order 640): -59.862,-18.261 -60.138,-18.538 -60.138,-19.041 -61.136,-20.039 -62.033,-20.039 -62.597,-20.603 -62.597,-22.084 -62.013,-21.499 -60.567,-21.499 -60.567,-20.881 -59.471,-19.785 -58.739,-19.785 -58.365,-19.411 -58.365,-18.41 -58.514,-18.261
N15 on Top Layer "NONET_L-01_P-001" (solid, remove dead copper, pour order 631): -48.458,-20.444 -47.862,-21.041 -47.862,-25.078 -47.951,-25.167 -48.18,-25.167 -48.251,-25.097 -48.251,-22.875 -48.877,-22.248 -49.71,-22.248 -49.943,-22.015 -49.943,-20.762 -49.625,-20.444
N15 on Top Layer "NONET_L-01_P-001" (solid, remove dead copper, pour order 628): -47.207,-18.259 -47.484,-18.536 -47.484,-19.04 -48.482,-20.037 -49.378,-20.037 -49.943,-20.602 -49.943,-22.082 -49.358,-21.498 -47.912,-21.498 -47.912,-20.879 -46.816,-19.783 -46.085,-19.783 -45.711,-19.409 -45.711,-18.409 -45.86,-18.259
N11 on Top Layer "NONET_L-01_P-001" (solid, remove dead copper, pour order 619): -36.038,-20.444 -35.442,-21.041 -35.442,-25.078 -35.531,-25.167 -35.76,-25.167 -35.83,-25.097 -35.83,-22.875 -36.456,-22.248 -37.289,-22.248 -37.522,-22.015 -37.522,-20.762 -37.205,-20.444
N11 on Top Layer "NONET_L-01_P-001" (solid, remove dead copper, pour order 616): -34.787,-18.259 -35.064,-18.536 -35.064,-19.04 -36.061,-20.037 -36.958,-20.037 -37.522,-20.602 -37.522,-22.082 -36.938,-21.498 -35.492,-21.498 -35.492,-20.879 -34.396,-19.783 -33.664,-19.783 -33.29,-19.409 -33.29,-18.409 -33.439,-18.259
N8 on Top Layer "NONET_L-01_P-001" (solid, remove dead copper, pour order 608): -26.564,-20.444 -25.721,-21.287 -25.721,-21.944 -25.196,-22.47 -24.054,-22.47 -23.638,-22.885 -23.638,-25.167 -23.866,-25.167 -23.956,-25.077 -23.956,-23.489 -24.274,-23.171 -26.296,-23.171 -27.568,-21.899 -27.568,-20.601 -27.411,-20.444
N7 on Top Layer "NONET_L-01_P-001" (solid, remove dead copper, pour order 607): -23.617,-20.444 -23.021,-21.041 -23.021,-25.078 -23.11,-25.167 -23.339,-25.167 -23.41,-25.097 -23.41,-22.875 -24.036,-22.248 -24.868,-22.248 -25.102,-22.015 -25.102,-20.762 -24.784,-20.444
N7 on Top Layer "NONET_L-01_P-001" (solid, remove dead copper, pour order 604): -22.366,-18.259 -22.643,-18.536 -22.643,-19.04 -23.641,-20.037 -24.537,-20.037 -25.102,-20.602 -25.102,-22.082 -24.517,-21.498 -23.071,-21.498 -23.071,-20.879 -21.975,-19.783 -21.243,-19.783 -20.869,-19.409 -20.869,-18.409 -21.019,-18.259
N6 on Top Layer "NONET_L-01_P-001" (solid, remove dead copper, pour order 603): -22.271,-20.444 -22.867,-21.041 -22.867,-25.078 -22.778,-25.167 -22.549,-25.167 -22.479,-25.097 -22.479,-22.875 -21.853,-22.248 -21.02,-22.248 -20.787,-22.015 -20.787,-20.762 -21.104,-20.444
N1 on Top Layer "NONET_L-01_P-001" (solid, remove dead copper, pour order 519): -4.096,-18.384 -4.372,-18.661 -5.874,-20.162 -6.648,-20.936 -6.648,-22.023 -6.247,-21.622 -5.623,-21.622 -3.908,-19.908 -2.973,-19.908 -2.599,-19.534 -2.599,-18.533 -2.748,-18.384